# KiCad board v2-choc-basil.kicad_pcb
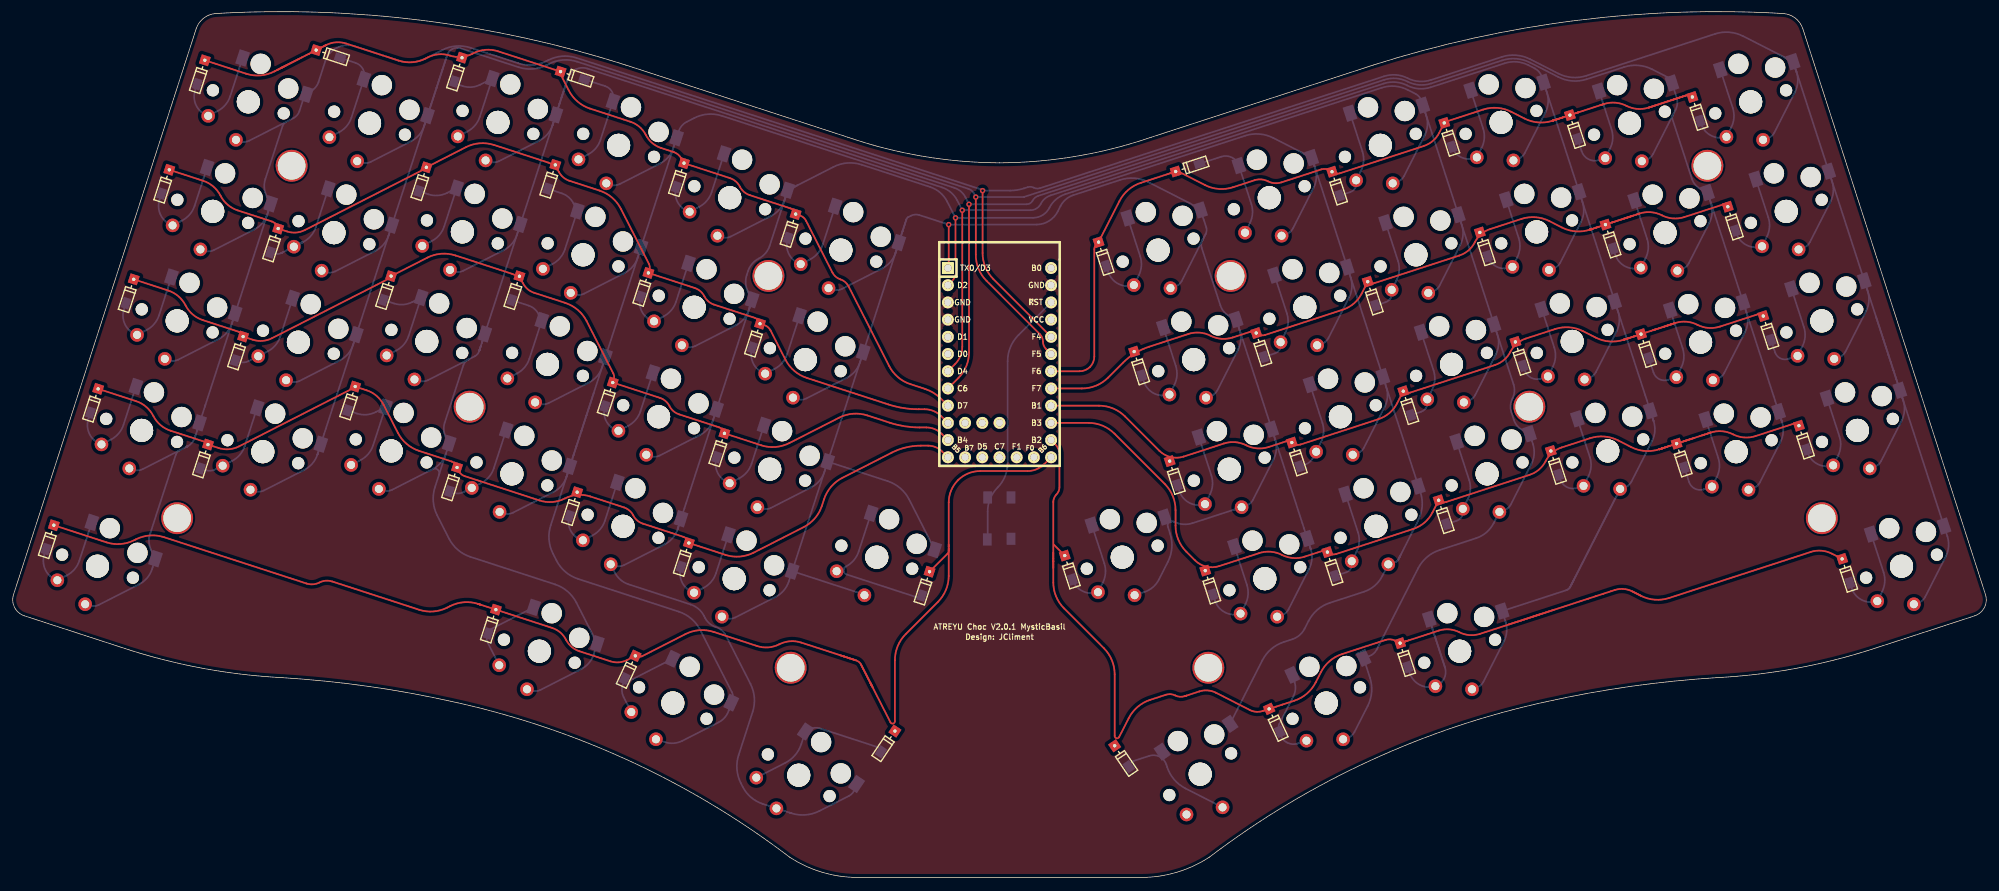
[diagram p0: board, top side]
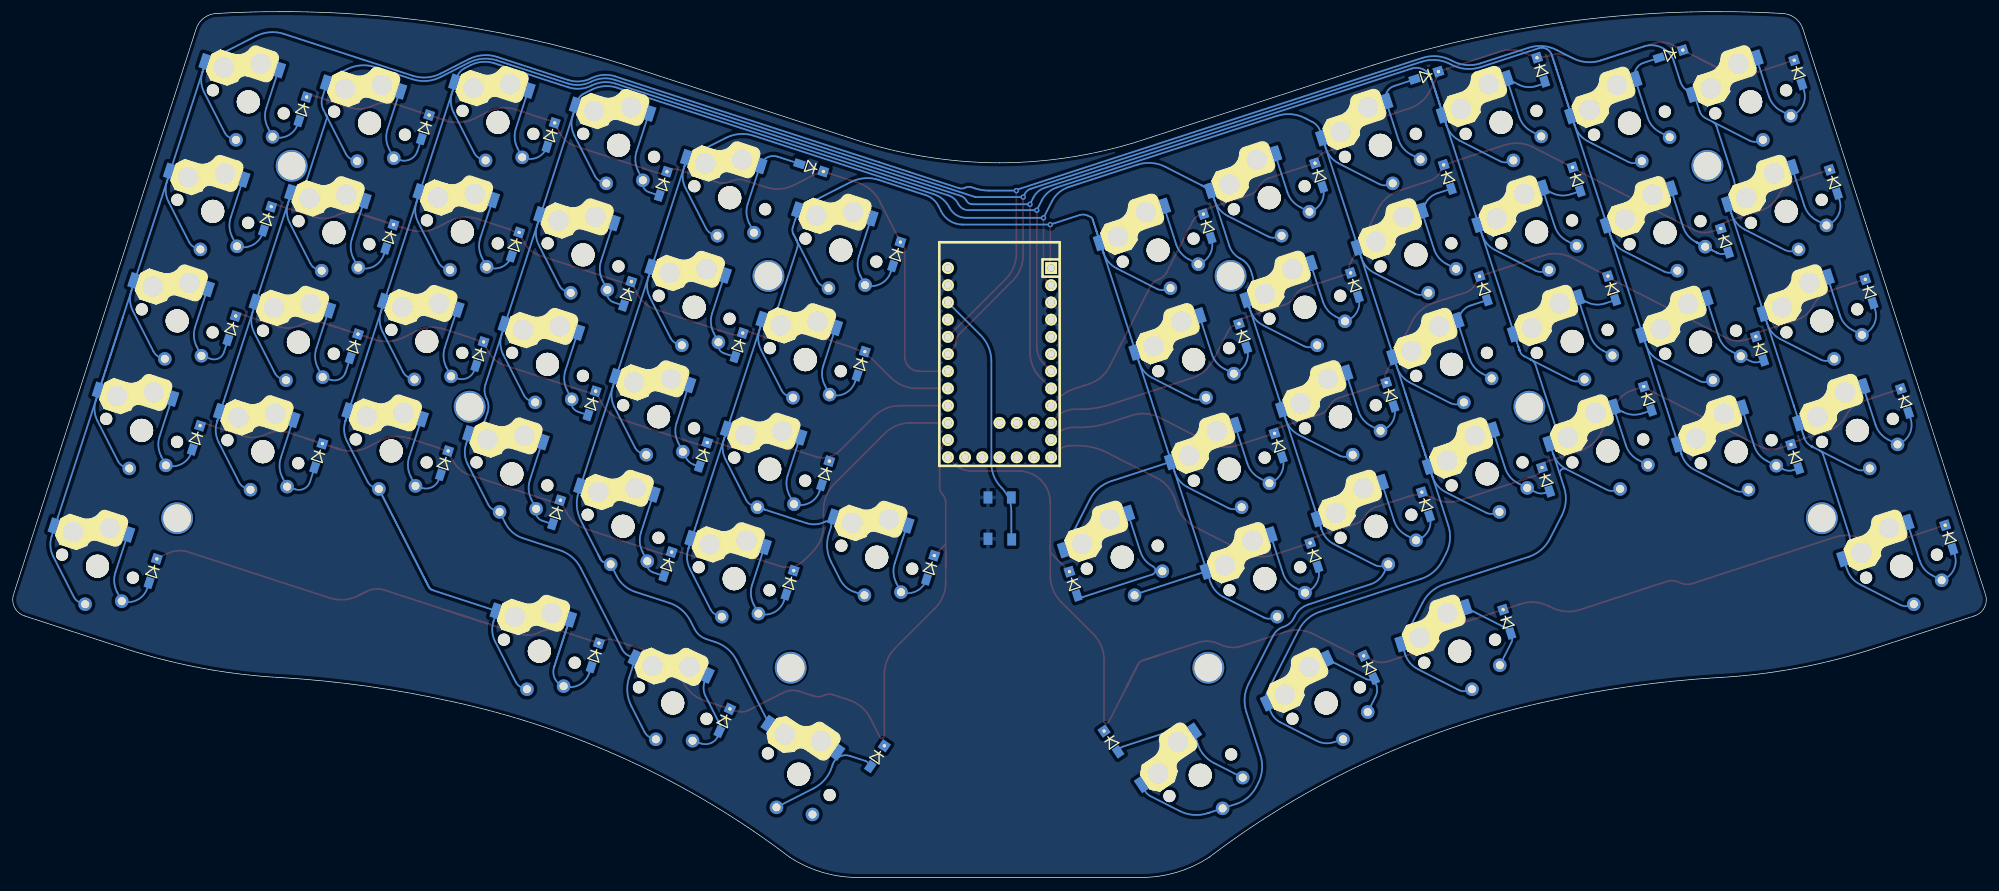
[diagram p1: board, bottom side, seen from below]

Outline 291.48 x 127.82 mm; copper layers: Top, Bottom. Coordinates in mm from the lower left corner of the outline.
Outline path: 0.12,41.77 27.1,125.3 arc(28.18,126.84) 29.93,127.54 arc(60.59,126.51) 90.55,119.93 123.36,109.27 arc(134.4,106.47) 145.74,105.5 arc(157.09,106.47) 168.13,109.27 200.94,119.93 arc(230.9,126.51) 261.55,127.54 arc(263.3,126.84) 264.38,125.3 291.36,41.77 arc(291.22,39.88) 289.8,38.64 275.49,33.99 arc(263.77,30.94) 251.74,29.5 arc(239.17,28.24) 226.74,26 arc(200.48,17.25) 176.74,3 arc(171.96,0.78) 166.74,0 124.74,0 arc(119.52,0.78) 114.74,3 arc(91.01,17.25) 64.74,26 arc(52.31,28.24) 39.74,29.5 arc(27.72,30.94) 15.99,33.99 1.68,38.64 arc(0.26,39.88) 0.12,41.77
Stack: Top 0.035mm / dielectric 1.51mm FR4 er 4.5 / Bottom 0.035mm

## Placement (name value [footprint] x y rotation side)
D1  D_Small  [D3_SMD_via]  28.38 120.64 252 top
D2  D_Small  [D3_SMD_via]  44.83 122.14 342 top
D3  D_Small  [D3_SMD_via]  66.36 121.02 252 top
D4  D_Small  [D3_SMD_via]  80.92 118.96 342 top
D5  D_Small  [D3_SMD_via]  99.15 105.45 252 top
D6  D_Small  [D3_SMD_via]  115.63 97.93 252 top
D7  D_Small  [D3_SMD_via]  160.37 93.8 288 top
D8  D_Small  [D3_SMD_via]  171.76 104.22 18 top
D9  D_Small  [D3_SMD_via]  194.85 104.19 288 top
D10  D_Small  [D3_SMD_via]  211.43 111.39 288 top
D11  D_Small  [D3_SMD_via]  229.99 112.55 288 top
D12  D_Small  [D3_SMD_via]  248.08 115.22 288 top
D13  D_Small  [D3_SMD_via]  23.12 104.47 252 top
D14  D_Small  [D3_SMD_via]  39.2 95.79 252 top
D15  D_Small  [D3_SMD_via]  61.1 104.84 252 top
D16  D_Small  [D3_SMD_via]  80.14 105.19 252 top
D17  D_Small  [D3_SMD_via]  93.88 89.24 252 top
D18  D_Small  [D3_SMD_via]  110.37 81.75 252 top
D19  D_Small  [D3_SMD_via]  165.62 77.63 288 top
D20  D_Small  [D3_SMD_via]  183.66 80.37 288 top
D21  D_Small  [D3_SMD_via]  200.12 87.95 288 top
D22  D_Small  [D3_SMD_via]  216.69 95.23 288 top
D23  D_Small  [D3_SMD_via]  235.24 96.38 288 top
D24  D_Small  [D3_SMD_via]  253.31 99.02 288 top
D25  D_Small  [D3_SMD_via]  17.87 88.3 252 top
D26  D_Small  [D3_SMD_via]  34.02 79.85 252 top
D27  D_Small  [D3_SMD_via]  55.88 88.77 252 top
D28  D_Small  [D3_SMD_via]  74.84 88.76 252 top
D29  D_Small  [D3_SMD_via]  88.62 73.06 252 top
D30  D_Small  [D3_SMD_via]  105.11 65.56 252 top
D31  D_Small  [D3_SMD_via]  170.88 61.46 288 top
D32  D_Small  [D3_SMD_via]  188.92 64.2 288 top
D33  D_Small  [D3_SMD_via]  205.38 71.78 288 top
D34  D_Small  [D3_SMD_via]  221.94 79.06 288 top
D35  D_Small  [D3_SMD_via]  240.49 80.21 288 top
D36  D_Small  [D3_SMD_via]  258.55 82.88 288 top
D37  D_Small  [D3_SMD_via]  12.62 72.13 252 top
D38  D_Small  [D3_SMD_via]  28.84 63.91 252 top
D39  D_Small  [D3_SMD_via]  50.58 72.47 252 top
D40  D_Small  [D3_SMD_via]  65.62 60.52 252 top
D41  D_Small  [D3_SMD_via]  83.36 56.87 252 top
D42  D_Small  [D3_SMD_via]  99.86 49.38 252 top
D43  D_Small  [D3_SMD_via]  176.13 45.3 288 top
D44  D_Small  [D3_SMD_via]  194.17 48.03 288 top
D45  D_Small  [D3_SMD_via]  210.61 55.69 288 top
D46  D_Small  [D3_SMD_via]  227.17 62.96 288 top
D47  D_Small  [D3_SMD_via]  245.75 64.04 288 top
D48  D_Small  [D3_SMD_via]  263.81 66.69 288 top
D49  D_Small  [D3_SMD_via]  6.07 51.99 252 top
D51  D_Small  [D3_SMD_via]  71.36 39.53 252 top
D52  D_Small  [D3_SMD_via]  91.96 32.72 245 top
D53  D_Small  [D3_SMD_via]  130.29 21.61 236 top
D54  D_Small  [D3_SMD_via]  135.41 45.14 252 top
D55  D_Small  [D3_SMD_via]  155.38 47.52 288 top
D56  D_Small  [D3_SMD_via]  162.75 19.44 304 top
D57  D_Small  [D3_SMD_via]  185.57 24.88 295 top
D58  D_Small  [D3_SMD_via]  204.91 34.59 288 top
D60  D_Small  [D3_SMD_via]  270.2 47.03 288 top
MX1  MX-NoLED  [Choc_Hotswap_Solder_18x17]  34.8 114.5 342 top
MX2  MX-NoLED  [Choc_Hotswap_Solder_18x17]  52.7 111.36 342 top
MX3  MX-NoLED  [Choc_Hotswap_Solder_18x17]  71.66 111.47 342 top
MX4  MX-NoLED  [Choc_Hotswap_Solder_18x17]  89.49 108.08 342 top
MX5  MX-NoLED  [Choc_Hotswap_Solder_18x17]  105.9 100.35 342 top
MX6  MX-NoLED  [Choc_Hotswap_Solder_18x17]  122.31 92.61 342 top
MX7  MX-NoLED  [Choc_Hotswap_Solder_18x17]  169.17 92.61 18 top
MX8  MX-NoLED  [Choc_Hotswap_Solder_18x17]  185.58 100.35 18 top
MX9  MX-NoLED  [Choc_Hotswap_Solder_18x17]  201.99 108.08 18 top
MX10  MX-NoLED  [Choc_Hotswap_Solder_18x17]  219.82 111.47 18 top
MX11  MX-NoLED  [Choc_Hotswap_Solder_18x17]  238.78 111.36 18 top
MX12  MX-NoLED  [Choc_Hotswap_Solder_18x17]  256.69 114.5 18 top
MX13  MX-NoLED  [Choc_Hotswap_Solder_18x17]  29.54 98.34 342 top
MX14  MX-NoLED  [Choc_Hotswap_Solder_18x17]  47.45 95.19 342 top
MX15  MX-NoLED  [Choc_Hotswap_Solder_18x17]  66.41 95.3 342 top
MX16  MX-NoLED  [Choc_Hotswap_Solder_18x17]  84.24 91.92 342 top
MX17  MX-NoLED  [Choc_Hotswap_Solder_18x17]  100.65 84.18 342 top
MX18  MX-NoLED  [Choc_Hotswap_Solder_18x17]  117.06 76.44 342 top
MX19  MX-NoLED  [Choc_Hotswap_Solder_18x17]  174.42 76.44 18 top
MX20  MX-NoLED  [Choc_Hotswap_Solder_18x17]  190.84 84.18 18 top
MX21  MX-NoLED  [Choc_Hotswap_Solder_18x17]  207.25 91.92 18 top
MX22  MX-NoLED  [Choc_Hotswap_Solder_18x17]  225.07 95.3 18 top
MX23  MX-NoLED  [Choc_Hotswap_Solder_18x17]  244.04 95.19 18 top
MX24  MX-NoLED  [Choc_Hotswap_Solder_18x17]  261.94 98.34 18 top
MX25  MX-NoLED  [Choc_Hotswap_Solder_18x17]  24.29 82.17 342 top
MX26  MX-NoLED  [Choc_Hotswap_Solder_18x17]  42.19 79.02 342 top
MX27  MX-NoLED  [Choc_Hotswap_Solder_18x17]  61.16 79.14 342 top
MX28  MX-NoLED  [Choc_Hotswap_Solder_18x17]  78.98 75.75 342 top
MX29  MX-NoLED  [Choc_Hotswap_Solder_18x17]  95.4 68.01 342 top
MX30  MX-NoLED  [Choc_Hotswap_Solder_18x17]  111.81 60.27 342 top
MX31  MX-NoLED  [Choc_Hotswap_Solder_18x17]  179.68 60.27 18 top
MX32  MX-NoLED  [Choc_Hotswap_Solder_18x17]  196.09 68.01 18 top
MX33  MX-NoLED  [Choc_Hotswap_Solder_18x17]  212.5 75.75 18 top
MX34  MX-NoLED  [Choc_Hotswap_Solder_18x17]  230.33 79.14 18 top
MX35  MX-NoLED  [Choc_Hotswap_Solder_18x17]  249.29 79.02 18 top
MX36  MX-NoLED  [Choc_Hotswap_Solder_18x17]  267.19 82.17 18 top
MX37  MX-NoLED  [Choc_Hotswap_Solder_18x17]  19.04 66 342 top
MX38  MX-NoLED  [Choc_Hotswap_Solder_18x17]  36.94 62.85 342 top
MX39  MX-NoLED  [Choc_Hotswap_Solder_18x17]  55.9 62.97 342 top
MX40  MX-NoLED  [Choc_Hotswap_Solder_18x17]  73.73 59.58 342 top
MX41  MX-NoLED  [Choc_Hotswap_Solder_18x17]  90.14 51.84 342 top
MX42  MX-NoLED  [Choc_Hotswap_Solder_18x17]  106.55 44.11 342 top
MX43  MX-NoLED  [Choc_Hotswap_Solder_18x17]  184.93 44.11 18 top
MX44  MX-NoLED  [Choc_Hotswap_Solder_18x17]  201.34 51.84 18 top
MX45  MX-NoLED  [Choc_Hotswap_Solder_18x17]  217.75 59.58 18 top
MX46  MX-NoLED  [Choc_Hotswap_Solder_18x17]  235.58 62.97 18 top
MX47  MX-NoLED  [Choc_Hotswap_Solder_18x17]  254.54 62.85 18 top
MX48  MX-NoLED  [Choc_Hotswap_Solder_18x17]  272.45 66 18 top
MX49  MX-NoLED  [Choc_Hotswap_Solder_18x17]  12.52 45.95 342 top
MX51  MX-NoLED  [Choc_Hotswap_Solder_18x17]  77.78 33.4 342 top
MX52  MX-NoLED  [Choc_Hotswap_Solder_18x17]  97.49 25.75 335 top
MX53  MX-NoLED  [Choc_Hotswap_Solder_18x17]  116.09 15.09 326 top
MX54  MX-NoLED  [Choc_Hotswap_Solder_18x17]  127.62 47.28 342 top
MX55  MX-NoLED  [Choc_Hotswap_Solder_18x17]  163.87 47.28 18 top
MX57  MX-NoLED  [Choc_Hotswap_Solder_18x17]  194 25.75 25 top
MX58  MX-NoLED  [Choc_Hotswap_Solder_18x17]  213.7 33.4 18 top
MX60  MX-NoLED  [Choc_Hotswap_Solder_18x17]  278.96 45.95 18 top
MX62  MX-NoLED  [Choc_Hotswap_Solder_18x17]  175.39 15.24 34 top
NOREF  -  [unnamed]  250.29 105.06 18 top
NOREF#2  -  [unnamed]  267.2 53.04 18 top
NOREF#3  -  [unnamed]  179.87 88.8 18 top
NOREF#4  -  [unnamed]  224 69.49 18 top
NOREF#5  -  [unnamed]  176.58 30.96 18 top
NOREF#6  -  [unnamed]  114.9 30.96 162 bottom
NOREF#7  -  [unnamed]  41.19 105.07 162 bottom
NOREF#8  -  [unnamed]  24.29 53.04 162 bottom
NOREF#9  -  [unnamed]  111.61 88.8 162 bottom
NOREF#10  -  [unnamed]  67.49 69.49 162 bottom
SW1  SW_Push  [PushSwitch]  145.74 53 270 bottom
U1  -  [Elite-C]  145.74 76 270 top

## Footprints (pads in the part's own frame, mm; a bottom-side part is the same pattern mirrored in y, then rotated)
Choc_Hotswap_Solder_18x17
  round 1.8 hole 1.8 unplated: (-5.5,0) (5.5,0)
  round 3 hole 3 unplated: (0,5.9) (5,3.7)
  round 3.4 hole 3.4 unplated: (0,0) (0,0)
  round 2 hole 1.2: 1(0,-5.9) 2(-5,-3.8)
  rect 1.6x2.2 smd far side: 1(7.8,3.7) 2(-2.8,5.9)
D3_SMD_via
  rect 1.4x1.4 hole 0.5: 1(0,0)
  rect 1.6x1.2 smd far side: 2(3.7,0)
Elite-C
  rect 1.753x1.753 hole 1.092: 1(-13.97,-7.62)
  round 1.753 hole 1.092: 2(-11.43,-7.62) 3(-8.89,-7.62) 4(-6.35,-7.62) 5(-3.81,-7.62) 6(-1.27,-7.62) 7(1.27,-7.62) 8(3.81,-7.62) 9(6.35,-7.62) 10(8.89,-7.62) 11(11.43,-7.62) 12(13.97,-7.62) 13(13.97,7.62) 14(11.43,7.62) 15(8.89,7.62) 16(6.35,7.62) 17(3.81,7.62) 18(1.27,7.62) 19(-1.27,7.62) 20(-3.81,7.62) 21(-6.35,7.62) 22(-8.89,7.62) 23(-11.43,7.62) 24(-13.97,7.62) 25(13.97,-5.08) 26(13.97,-2.54) 27(13.97,0) 28(13.97,2.54) 29(13.97,5.08) 31(8.89,-5.08) 32(8.89,-2.54) 33(8.89,0)
PushSwitch
  rect 1.8x1.3 smd: 1(-3.1,1.75) 1(3.1,1.8) 2(-3.1,-1.7) 2(3,-1.7)
unnamed
  round 4.7 hole 4.1: (0,0)

## Nets
GND: SW1.2 U1.3 U1.4 U1.23
VCC: U1.21
COL0: MX1.1 MX12.1 MX13.1 MX24.1 MX25.1 MX36.1 MX37.1 MX48.1 MX49.1 MX60.1 U1.20
COL1: MX2.1 MX11.1 MX14.1 MX23.1 MX26.1 MX35.1 MX38.1 MX47.1 U1.19
COL2: MX3.1 MX10.1 MX15.1 MX22.1 MX27.1 MX34.1 MX39.1 MX46.1 MX51.1 MX58.1 U1.8
COL3: MX4.1 MX9.1 MX16.1 MX21.1 MX28.1 MX33.1 MX40.1 MX45.1 MX52.1 MX57.1 U1.7
COL4: MX5.1 MX8.1 MX17.1 MX20.1 MX29.1 MX32.1 MX41.1 MX44.1 MX53.1 U1.2
COL4|Net-(D56-Pad2): MX62.1 MX62.2
COL5: MX6.1 MX7.1 MX18.1 MX19.1 MX30.1 MX31.1 MX42.1 MX43.1 MX54.1 MX55.1 U1.1
RAW: U1.24
ROW0: D1.1 D2.1 D3.1 D4.1 D5.1 D6.1 U1.9
ROW1: D13.1 D14.1 D15.1 D16.1 D17.1 D18.1 U1.10
ROW2: D25.1 D26.1 D27.1 D28.1 D29.1 D30.1 U1.11
ROW3: D37.1 D38.1 D39.1 D40.1 D41.1 D42.1 U1.12
ROW4: D49.1 D51.1 D52.1 D53.1 D54.1 U1.13
ROW5: D55.1 D56.1 D57.1 D58.1 D60.1 U1.14
ROW6: D43.1 D44.1 D45.1 D46.1 D47.1 D48.1 U1.15
ROW7: D31.1 D32.1 D33.1 D34.1 D35.1 D36.1 U1.16
ROW8: D19.1 D20.1 D21.1 D22.1 D23.1 D24.1 U1.17
ROW9: D7.1 D8.1 D9.1 D10.1 D11.1 D12.1 U1.18
RST: SW1.1 U1.22
Net-(D1-Pad2): D1.2 MX1.2
Net-(D2-Pad2): D2.2 MX2.2
Net-(D3-Pad2): D3.2 MX3.2
Net-(D4-Pad2): D4.2 MX4.2
Net-(D5-Pad2): D5.2 MX5.2
Net-(D6-Pad2): D6.2 MX6.2
Net-(D7-Pad2): D7.2 MX7.2
Net-(D8-Pad2): D8.2 MX8.2
Net-(D9-Pad2): D9.2 MX9.2
Net-(D10-Pad2): D10.2 MX10.2
Net-(D11-Pad2): D11.2 MX11.2
Net-(D12-Pad2): D12.2 MX12.2
Net-(D13-Pad2): D13.2 MX13.2
Net-(D14-Pad2): D14.2 MX14.2
Net-(D15-Pad2): D15.2 MX15.2
Net-(D16-Pad2): D16.2 MX16.2
Net-(D17-Pad2): D17.2 MX17.2
Net-(D18-Pad2): D18.2 MX18.2
Net-(D19-Pad2): D19.2 MX19.2
Net-(D20-Pad2): D20.2 MX20.2
Net-(D21-Pad2): D21.2 MX21.2
Net-(D22-Pad2): D22.2 MX22.2
Net-(D23-Pad2): D23.2 MX23.2
Net-(D24-Pad2): D24.2 MX24.2
Net-(D25-Pad2): D25.2 MX25.2
Net-(D26-Pad2): D26.2 MX26.2
Net-(D27-Pad2): D27.2 MX27.2
Net-(D28-Pad2): D28.2 MX28.2
Net-(D29-Pad2): D29.2 MX29.2
Net-(D30-Pad2): D30.2 MX30.2
Net-(D31-Pad2): D31.2 MX31.2
Net-(D32-Pad2): D32.2 MX32.2
Net-(D33-Pad2): D33.2 MX33.2
Net-(D34-Pad2): D34.2 MX34.2
Net-(D35-Pad2): D35.2 MX35.2
Net-(D36-Pad2): D36.2 MX36.2
Net-(D37-Pad2): D37.2 MX37.2
Net-(D38-Pad2): D38.2 MX38.2
Net-(D39-Pad2): D39.2 MX39.2
Net-(D40-Pad2): D40.2 MX40.2
Net-(D41-Pad2): D41.2 MX41.2
Net-(D42-Pad2): D42.2 MX42.2
Net-(D43-Pad2): D43.2 MX43.2
Net-(D44-Pad2): D44.2 MX44.2
Net-(D45-Pad2): D45.2 MX45.2
Net-(D46-Pad2): D46.2 MX46.2
Net-(D47-Pad2): D47.2 MX47.2
Net-(D48-Pad2): D48.2 MX48.2
Net-(D49-Pad2): D49.2 MX49.2
Net-(D51-Pad2): D51.2 MX51.2
Net-(D52-Pad2): D52.2 MX52.2
Net-(D53-Pad2): D53.2 MX53.2
Net-(D54-Pad2): D54.2 MX54.2
Net-(D55-Pad2): D55.2 MX55.2
Net-(D56-Pad2): D56.2
Net-(D57-Pad2): D57.2 MX57.2
Net-(D58-Pad2): D58.2 MX58.2
Net-(D60-Pad2): D60.2 MX60.2

Pads without a net: U1 5 6 25 26 27 28 29 31 32 33

## Via types
v1: diameter 0.8, hole 0.4, Top to Bottom, 6 vias

## Routing (per net, layer and track width the routed paths; a pad name or vN(x,y) marks a point on that pad's centre or on a via; arc(x,y) is an arc through that point)
COL0: length 546
  Top w0.25: v1(143.24,101.4) 143.24,92.18 arc(143.66,90.1) 144.84,88.34 U1.20
  Bottom w0.25: 27.33,66.27 27.25,66.03 ; 27.33,66.27 MX37.1 37.74,98.33 ; 27.33,66.27 27.25,66.03 ; 27.25,66.03 27.21,65.9 ; 27.25,66.03 27.21,65.9 ; 278.59,72.34 279.22,70.4 ; 278.59,72.34 278.16,73.66 ; 278.59,72.34 arc(278.62,72.24) 278.66,72.14 ; 279.22,70.4 arc(279.4,68.9) 278.99,67.44 275.94,61.46 arc(275.52,60.93) 274.94,60.61 MX48.1 ; 279.22,70.4 arc(279.15,70.61) 279.08,70.81 ; 276.28,79.43 275.92,80.55 ; 276.28,79.43 276.65,78.32 ; 276.28,79.43 arc(276.28,79.43) 276.28,79.44 ; 275.92,80.55 275.2,82.78 ; 275.92,80.55 arc(275.92,80.55) 275.92,80.55 ; 276.65,78.32 277.02,77.17 ; 276.65,78.32 arc(276.65,78.31) 276.65,78.31 ; 277.02,77.17 277.38,76.05 ; 277.02,77.17 arc(277.02,77.18) 277.01,77.19 ; 278.19,73.56 277.78,74.83 ; 278.19,73.56 278.66,72.14 ; 278.19,73.56 arc(278.18,73.61) 278.16,73.66 ; 277.78,74.83 277.39,76.02 ; 277.78,74.83 arc(277.77,74.86) 277.76,74.88 ; 279.08,70.81 278.66,72.14 ; 279.08,70.81 285.24,51.88 arc(285.24,51.88) 285.24,51.88 arc(285.24,51.88) MX60.1 285.74,50.35 arc(285.91,48.85) 285.5,47.39 282.45,41.41 arc(282.04,40.88) 281.46,40.56 MX60.1 ; 276.28,79.44 275.92,80.55 ; 276.28,79.44 276.65,78.31 ; 275.92,80.55 275.2,82.78 ; 277.76,74.88 277.38,76.05 ; 277.76,74.88 278.16,73.66 ; 277.38,76.05 arc(277.39,76.03) 277.39,76.02 ; MX36.1 269.69,76.77 arc(270.27,77.1) 270.68,77.62 273.73,83.61 arc(274.14,85.06) 273.97,86.57 MX36.1 ; MX24.1 268.71,102.74 arc(268.89,101.23) 268.48,99.78 265.43,93.79 arc(265.02,93.27) 264.44,92.94 MX24.1 ; 276.65,78.31 277.01,77.19 ; 277.01,77.19 277.39,76.02 ; MX49.1 11.37,40.12 arc(12.03,40.04) 12.67,40.22 18.66,43.27 arc(19.85,44.21) 20.59,45.53 20.67,45.79 arc(20.82,47.04) 20.48,48.25 arc(20.14,49.46) 20.28,50.7 24.09,62.41 arc(24.3,62.78) 24.63,63.05 ; 37.74,98.33 arc(37.72,98.25) 37.69,98.18 ; 37.74,98.33 arc(37.85,99.46) 37.5,100.63 ; 275.2,82.78 263.32,119.32 ; 40.39,111.55 34.95,108.78 arc(34.31,108.6) 33.65,108.67 MX1.1 ; 40.39,111.55 41.46,112.09 arc(42,112.52) 42.34,113.13 42.87,114.74 arc(43.31,115.53) 44.02,116.09 arc(44.72,116.64) 45.16,117.43 46.15,120.47 arc(46.81,121.65) 47.87,122.49 arc(49.17,122.85) 50.52,122.69 56.91,120.62 arc(59.02,120.37) 61.06,120.94 63.45,122.16 arc(65.5,122.74) 67.6,122.49 74.67,120.19 arc(76.78,119.94) 78.82,120.52 79.11,120.66 arc(81.16,121.24) 83.26,120.99 143.11,101.55 arc(143.17,101.51) 143.21,101.46 v1(143.24,101.4) 143.24,101.4 arc(143.25,101.4) 143.25,101.4 147.3,101.4 arc(148.35,101.48) 149.37,101.73 149.9,101.9 arc(150.36,101.96) 150.81,101.83 arc(151.26,101.7) 151.72,101.76 163.47,105.58 202.55,118.27 arc(204.3,118.48) 206,118 arc(207.7,117.52) 209.45,117.73 219.94,121.14 arc(222.05,121.39) 224.09,120.81 228.26,118.68 arc(230.31,118.11) 232.41,118.36 251.41,124.53 arc(253.52,124.78) 255.56,124.2 261.53,121.16 ; 40.39,111.55 arc(40.06,111.29) 39.85,110.91 37.31,103.09 arc(37.16,101.84) 37.5,100.63 ; 27.21,65.9 26.88,64.89 arc(26.47,64.17) 25.82,63.65 24.63,63.05 ; MX25.1 32.35,81.75 arc(31.61,80.43) 30.43,79.49 24.44,76.44 arc(23.8,76.26) 23.14,76.34 MX25.1 ; MX12.1 259.18,109.11 arc(259.76,109.44) 260.18,109.96 263.23,115.94 arc(263.64,117.4) 263.46,118.9 ; 24.63,63.05 19.19,60.27 arc(18.55,60.09) 17.89,60.17 MX37.1 ; 261.53,121.16 arc(262.68,120.33) 263.32,119.32 ; 261.53,121.16 arc(262.72,120.22) 263.46,118.9 ; MX13.1 28.39,92.51 arc(29.05,92.43) 29.69,92.61 35.68,95.66 arc(36.87,96.6) 37.61,97.92 37.69,98.18 ; 37.69,98.18 arc(37.84,99.42) 37.5,100.63 ; 263.32,119.32 arc(263.39,119.11) 263.46,118.9
COL1: length 443.7
  Top w0.25: v1(142.24,100.45) 142.24,91.91 arc(142.66,89.83) 143.84,88.07 151.71,80.19 arc(152.04,79.69) 152.16,79.11 arc(152.28,78.52) 152.61,78.02 U1.19
  Bottom w0.25: 62.59,116.56 62.97,117.73 ; 62.59,116.56 62.22,115.42 ; 62.59,116.56 arc(62.6,116.57) 62.6,116.58 ; 62.97,117.73 63.46,119.25 ; 62.97,117.73 arc(62.97,117.72) 62.97,117.71 ; 250.66,100.06 250.81,99.59 arc(250.99,98.09) 250.58,96.63 247.53,90.64 arc(247.11,90.12) 246.53,89.8 MX23.1 ; 250.66,100.06 260.07,71.07 MX47.1 261.32,67.25 arc(261.49,65.75) 261.08,64.29 258.03,58.31 arc(257.62,57.79) 257.04,57.46 MX47.1 ; 250.66,100.06 arc(250.14,100.97) 249.32,101.62 ; 250.66,100.06 arc(250.14,100.97) 249.32,101.62 ; 63.82,120.33 64.17,121.41 ; 63.82,120.33 64.17,121.41 ; 63.82,120.33 63.46,119.25 ; 63.82,120.33 63.46,119.25 ; 63.46,119.25 62.97,117.71 ; 64.17,121.41 arc(64.46,121.94) 64.94,122.31 arc(65.52,122.48) 66.13,122.41 74.72,119.61 arc(76.83,119.36) 78.88,119.94 79.21,120.11 arc(81.25,120.68) 83.36,120.44 141.17,101.65 arc(141.64,101.39) 141.98,100.96 v1(142.24,100.45) 142.24,100.45 arc(142.25,100.45) 142.25,100.45 149.35,100.45 arc(149.36,100.45) 149.36,100.46 arc(149.37,100.47) 149.38,100.47 202.57,117.76 arc(204.32,117.96) 206.02,117.48 arc(207.72,117.01) 209.48,117.21 219.96,120.62 arc(222.07,120.87) 224.11,120.29 228.29,118.17 arc(230.33,117.59) 232.44,117.84 237.97,119.64 arc(240.08,119.89) 242.12,119.31 244.85,117.92 ; MX11.1 241.28,105.96 arc(241.86,106.29) 242.27,106.81 245.1,112.36 ; 245.1,112.36 245.6,113.35 arc(245.86,114.24) 245.75,115.17 MX11.1 ; 245.1,112.36 arc(245.07,112.24) 245.08,112.12 247.98,103.19 arc(248.5,102.27) 249.32,101.62 ; 61.83,114.2 62.22,115.42 ; 61.83,114.2 61.4,112.88 ; 61.83,114.2 arc(61.81,114.15) 61.79,114.1 ; 62.22,115.42 arc(62.21,115.39) 62.2,115.37 ; MX26.1 50.26,78.6 arc(49.52,77.28) 48.33,76.34 42.35,73.29 arc(41.7,73.11) 41.04,73.19 MX26.1 ; 62.2,115.37 61.79,114.1 ; 62.2,115.37 62.6,116.58 ; 61.79,114.1 61.33,112.67 ; MX14.1 46.3,89.36 arc(46.96,89.28) 47.6,89.46 53.58,92.51 arc(54.77,93.45) 55.51,94.77 MX14.1 ; 60.9,111.35 46.25,66.25 MX38.1 45.01,62.43 arc(44.27,61.11) 43.08,60.18 37.09,57.13 arc(36.45,56.95) 35.79,57.02 MX38.1 ; 60.9,111.35 61.4,112.88 ; 60.9,111.35 arc(60.83,111.14) 60.77,110.94 ; 61.4,112.88 arc(61.36,112.78) 61.33,112.67 ; 61.33,112.67 60.77,110.94 ; 60.77,110.94 arc(60.03,109.62) 58.84,108.68 52.85,105.63 arc(52.21,105.45) 51.55,105.53 MX2.1 ; 62.6,116.58 62.97,117.71 ; MX35.1 251.79,73.63 arc(252.37,73.95) 252.78,74.48 255.83,80.46 arc(256.24,81.92) 256.06,83.42 MX35.1
COL2: length 515.5
  Top w0.25: v1(141.24,99.38) 141.24,77.52 arc(140.84,75.48) 139.68,73.75 U1.8
  Bottom w0.25: MX58.1 216.2,28.01 arc(216.78,28.33) 217.19,28.85 220.24,34.84 arc(220.65,36.3) 220.48,37.8 MX58.1 229.46,42.41 ; 67.36,76.49 67.34,76.48 ; 67.36,76.49 67.41,76.52 ; 67.36,76.49 67.34,76.48 ; 67.36,76.49 67.41,76.52 ; 67.34,76.48 67.31,76.47 ; 67.34,76.48 67.31,76.47 ; MX34.1 232.82,73.74 arc(233.4,74.07) 233.82,74.59 236.87,80.58 arc(237.28,82.03) 237.1,83.54 MX34.1 ; 67.41,76.52 68.25,76.95 arc(68.65,77.26) 68.89,77.69 70.05,81.27 79.73,111.05 ; 230.23,43.27 230.32,43.45 ; 230.23,43.27 230.04,42.9 ; 230.23,43.27 230.04,42.9 ; 230.23,43.27 230.32,43.45 ; 230.32,43.45 230.41,43.64 ; 230.32,43.45 230.41,43.64 ; 67.29,76.45 67.31,76.47 ; 67.29,76.45 67.26,76.44 arc(66.83,76.1) 66.56,75.62 63.8,67.12 arc(63.68,66.08) 63.96,65.07 arc(64.24,64.06) 64.12,63.02 63.97,62.55 ; 67.29,76.45 61.31,73.41 arc(60.67,73.23) 60.01,73.31 MX27.1 ; 67.29,76.45 67.31,76.47 ; 229.46,42.41 arc(229.8,42.6) 230.04,42.9 ; 229.46,42.41 arc(229.8,42.6) 230.04,42.9 ; 80.76,114.21 80.36,112.99 ; 80.76,114.21 81.06,115.16 ; 80.76,114.21 arc(80.77,114.26) 80.79,114.32 ; 80.36,112.99 79.86,111.47 ; 80.36,112.99 arc(80.33,112.89) 80.29,112.79 ; 62.98,59.49 62.36,57.61 arc(62.11,55.5) 62.69,53.46 64.43,50.03 arc(65.75,48.36) 67.6,47.33 80.09,43.27 arc(81.94,42.23) 83.26,40.56 85.61,35.93 arc(86.02,34.48) 85.85,32.98 arc(85.11,31.67) 83.92,30.73 77.92,27.67 arc(77.28,27.49) 76.62,27.57 MX51.1 ; 62.98,59.49 63.97,62.55 ; 62.98,59.49 arc(62.77,60.2) 62.04,60.29 ; MX22.1 227.57,89.91 arc(228.15,90.24) 228.56,90.76 231.61,96.74 arc(232.02,98.2) 231.85,99.7 MX22.1 ; 79.73,111.05 80.29,112.79 ; 79.73,111.05 79.86,111.47 ; 79.73,111.05 arc(78.99,109.73) 77.8,108.79 71.82,105.74 arc(71.17,105.56) 70.51,105.64 MX3.1 ; 79.73,111.05 arc(79.8,111.26) 79.86,111.47 ; 80.29,112.79 80.79,114.32 ; MX15.1 74.48,94.88 arc(73.74,93.56) 72.55,92.63 66.56,89.58 arc(65.92,89.4) 65.26,89.47 MX15.1 ; 81.44,116.31 81.7,117.12 ; 81.44,116.31 81.06,115.16 ; 81.44,116.31 81.06,115.16 ; 81.7,117.12 81.96,117.93 ; 81.7,117.12 81.06,115.16 ; 81.7,117.12 81.96,117.93 ; 80.79,114.32 81.06,115.16 ; 230.41,43.64 230.51,43.82 ; 230.41,43.64 230.51,43.82 ; 81.96,117.93 arc(82.4,118.72) 83.11,119.28 arc(83.98,119.52) 84.88,119.42 129.87,104.8 139.09,101.8 arc(140.04,101.27) 140.72,100.41 v1(141.24,99.38) 141.24,99.38 arc(141.25,99.38) 141.25,99.38 149.77,99.38 arc(150.27,99.53) 150.63,99.91 arc(150.97,100.35) 151.46,100.62 202.48,117.2 arc(204.24,117.41) 205.95,116.93 arc(207.66,116.44) 209.43,116.65 220.33,120.2 arc(222.12,120.41) 223.86,119.92 224.79,119.44 arc(225.43,118.94) 225.83,118.23 ; 230.51,43.82 237.08,56.73 ; 230.51,43.82 237.08,56.73 ; 237.08,56.73 arc(237.49,57.25) 238.08,57.57 arc(238.66,57.9) 239.07,58.42 242.12,64.41 arc(242.53,65.87) 242.35,67.37 MX46.1 241.11,71.19 226.36,116.58 ; 63.97,62.55 arc(63.23,61.23) 62.04,60.29 ; 226.36,116.58 225.83,118.23 ; 226.36,116.58 225.83,118.23 ; 226.36,116.58 226.59,115.87 arc(226.77,114.37) 226.36,112.91 223.31,106.93 arc(222.9,106.4) 222.32,106.08 MX10.1 ; 62.04,60.29 56.06,57.24 arc(55.41,57.06) 54.75,57.14 MX39.1
COL3: length 477
  Top w0.25: U1.7 139.18,75.79 arc(139.97,76.96) 140.24,78.35 140.24,98.38
  Bottom w0.25: 84,65.93 83.63,64.81 ; 84,65.93 84.37,67.07 ; 84,65.93 arc(84,65.94) 84,65.95 ; 83.63,64.81 83.23,63.59 ; 83.63,64.81 arc(83.63,64.79) 83.62,64.78 ; 208.49,113.34 208.29,113.96 ; 208.49,113.34 208.63,112.91 ; 208.49,113.34 208.29,113.96 ; 208.49,113.34 208.63,112.91 ; 208.29,113.96 208.13,114.44 ; 208.29,113.96 208.05,114.68 arc(207.73,115.26) 207.21,115.67 206,116.29 arc(204.13,116.81) 202.21,116.59 153.31,100.7 arc(152.45,100.22) 151.84,99.44 arc(151.2,98.76) 150.31,98.51 140.25,98.51 arc(140.25,98.5) 140.24,98.5 v1(140.24,98.5) 139.51,99.94 arc(138.57,101.13) 137.24,101.88 104.74,112.43 arc(102.67,112.68) 100.65,112.11 99.57,111.56 arc(98.82,110.97) 98.36,110.15 ; MX16.1 83.09,86.09 arc(83.75,86.01) 84.39,86.19 90.37,89.24 arc(91.56,90.17) 92.3,91.5 MX16.1 ; 81.93,59.57 82.43,61.1 ; 81.93,59.57 81.79,59.16 ; 81.93,59.57 arc(81.86,59.37) 81.79,59.16 ; 82.43,61.1 82.85,62.42 ; 82.43,61.1 arc(82.39,61) 82.36,60.9 ; 81.79,59.16 82.36,60.9 ; 81.79,59.16 79.46,51.97 arc(79.21,49.87) 79.79,47.82 80.32,46.78 arc(81.63,45.11) 83.48,44.08 98.37,39.24 arc(100.23,38.2) 101.54,36.53 106.22,27.36 arc(106.36,26.85) 106.3,26.34 105.75,24.64 arc(105.18,23.63) 104.27,22.91 98.9,20.17 arc(97.64,19.82) 96.33,19.97 MX52.1 ; 81.79,59.16 arc(81.05,57.84) 79.87,56.9 73.88,53.85 arc(73.24,53.67) 72.58,53.75 MX40.1 ; 208.63,112.91 208.77,112.48 arc(208.94,110.98) 208.53,109.52 205.48,103.54 arc(205.07,103.02) 204.49,102.69 MX9.1 ; 208.63,112.91 221.67,72.77 arc(221.79,71.73) 221.51,70.72 arc(221.22,69.71) 221.35,68.67 221.7,67.58 arc(222.21,66.66) 223.04,66.01 arc(223.86,65.36) 224.37,64.45 224.53,63.98 arc(224.7,62.48) 224.29,61.02 221.24,55.04 arc(220.83,54.51) 220.25,54.19 arc(219.67,53.86) 219.26,53.34 218.73,52.31 arc(217.65,50.94) 216.12,50.08 210.73,48.33 arc(208.88,47.29) 207.56,45.62 201.46,33.64 arc(200.98,33.03) 200.3,32.65 arc(199.81,32.24) 199.76,31.61 200.46,29.48 arc(200.71,27.37) 200.13,25.33 198.16,21.47 arc(197.75,20.94) 197.17,20.62 MX57.1 ; 82.36,60.9 82.82,62.32 ; MX33.1 215,70.35 arc(215.58,70.68) 215.99,71.2 219.04,77.19 arc(219.45,78.64) 219.27,80.15 MX33.1 ; 84.73,68.2 84.37,67.07 ; 84.73,68.2 85.09,69.31 ; 84.73,68.2 arc(84.73,68.19) 84.73,68.19 ; 84.37,67.07 arc(84.36,67.07) 84.36,67.07 ; 82.82,62.32 83.23,63.59 ; 82.82,62.32 arc(82.84,62.37) 82.85,62.42 ; 85.09,69.31 85.82,71.54 ; 85.09,69.31 84.73,68.19 ; 85.09,69.31 85.82,71.54 ; 85.82,71.54 97.74,108.24 ; 83.25,63.64 82.85,62.42 ; 83.25,63.64 83.62,64.78 ; 83.25,63.64 arc(83.24,63.62) 83.23,63.59 ; 84.36,67.07 84,65.95 ; 84.36,67.07 84.73,68.19 ; 84,65.95 83.62,64.78 ; 97.74,108.24 98.36,110.15 ; 97.74,108.24 98.36,110.15 ; 97.74,108.24 97.55,107.66 arc(96.81,106.34) 95.63,105.41 89.64,102.36 arc(89,102.18) 88.34,102.25 MX4.1 ; MX21.1 209.74,86.52 arc(210.32,86.85) 210.74,87.37 213.79,93.36 arc(214.2,94.81) 214.02,96.32 MX21.1 ; MX28.1 77.83,69.92 arc(78.49,69.84) 79.13,70.02 85.12,73.07 arc(86.31,74.01) 87.05,75.33 MX28.1